# Altium PCB PCB_Kasli.PCBDOC (part 11 of 14)
Units mm, origin at the board's own origin, x right, y up, seen from the top; angles counter-clockwise.
Board outline 162.29 x 100 mm, 6 copper layers (TopLayer, MidLayer1, MidLayer2, SignalLayer1, Internal Plane 1, BottomLayer), stack 1.528 mm thick; 646 components, 567 nets, 2756 pads, 1560 vias.
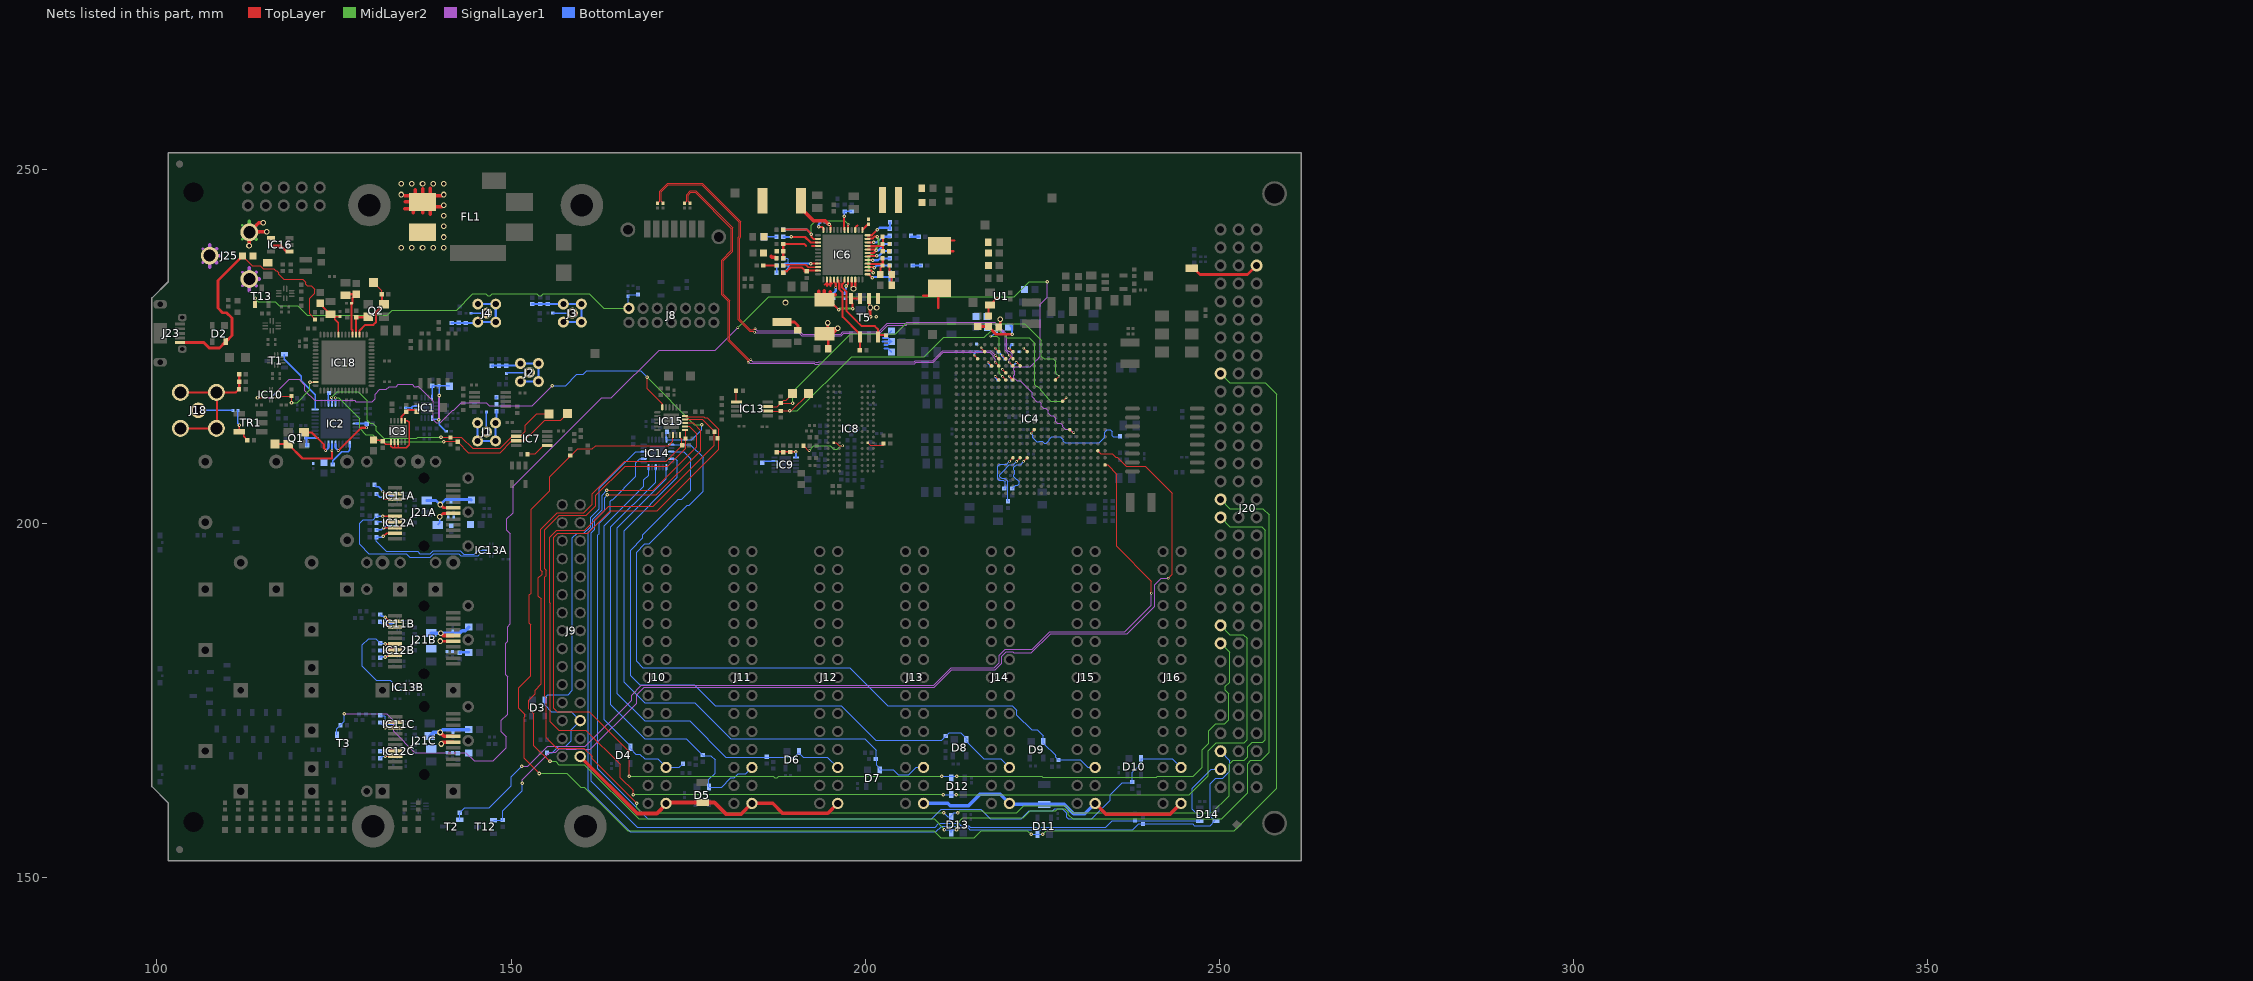
[diagram p15: the nets of this part, all layers, seen from the top]

## Via types
v1: diameter 0.5, hole 0.2, TopLayer to BottomLayer, tented both sides, 724 vias
v2: diameter 0.35, hole 0.15, TopLayer to BottomLayer, tented both sides, 628 vias
v3: diameter 0.8, hole 0.5, TopLayer to BottomLayer, tented both sides, 122 vias
v4: diameter 0.8, hole 0.5, TopLayer to BottomLayer, 66 vias
v5: diameter 0.5, hole 0.2, TopLayer to BottomLayer, 20 vias

## Nets (pads, with @x,y where several pads share a name; then routed paths per layer and width w, separated by ;. In a path a pad name is that pad's centre, name@x,y a point inside that pad or via, vN(x,y) a via of type N, cw(c..) or ccw(c..) an arc to the next point about the centre after c; other vN are vias at no path point) (continued)
I2C_SCL_9: D13.3 IC15.13 J20.c17 R175.1 | length 210.2
  TopLayer w0.125: v1(167.725,160.575) 161.45,166.85 161.45,167.15 160.275,168.325 156.45,168.325 154.988,169.787 154.988,171.554 154.975,171.567 154.975,175.4 154.738,175.637 154.738,192.497 154.938,192.697 154.938,193.453 154.725,193.665 154.725,199.154 156.786,201.215 160.607,201.215 161.975,202.583 161.975,204.025 166.1,208.15 172.15,208.15 174.65,210.65 IC15.13@174.65,213.157
  MidLayer2 w0.125: v1(167.725,160.575) 167.725,159.925 168.475,159.175 v1@211.1,159.175 ; v1(213.1,159.175) 213.387,159.462 216.613,159.462 216.9,159.175 221.375,159.175 222.4,160.2 228.3,160.2 229.325,159.175 248.975,159.175 251.425,161.625 251.425,166.05 251.975,166.6 253.5,166.6 254,167.1 254,168.5 254.65,169.15 256.175,169.15 256.525,169.5 256.525,199.1 256,199.625 251.479,199.625 J20.c17@250.19,200.914
  BottomLayer w0.125: v1(211.1,159.2) 211.65,158.65 D13.3@212.15,158.65 212.15,158.8 212.525,159.175 v1(213.1,159.175)
I2C_SCL_10: D12.3 IC15.17 J20.c24 R178.1 | length 180.1
  TopLayer w0.125: v1(166.7,164.35) 166.7,167.8 161.025,173.475 156.55,173.475 156.05,173.975 156.05,198.125 156.6,198.675 160.83,198.675 164.031,201.875 170.675,201.875 179.325,210.525 179.325,213.327 177.687,214.964 177.348,214.964 177.175,215.137 174.67,215.137 IC15.17@174.556,215.251
  MidLayer2 w0.125: v1(166.7,164.35) 186.996,164.35 187.208,164.138 187.592,164.138 187.804,164.35 v1(210.8,164.35) ; v1(212.95,164.35) 224.915,164.35 225.044,164.22 241.145,164.22 241.275,164.35 246.325,164.35 247.6,165.625 247.6,168.1 248.525,169.025 248.525,170.775 249.5,171.75 250.775,171.75 251.353,172.328 251.353,176.026 250.855,176.523 250.855,177.072 251.45,177.666 251.45,181.874 J20.c24@250.19,183.134
  BottomLayer w0.125: v1(210.8,164.35) v1(212.95,164.35)
I2C_SCL_11: D14.3 IC15.15 J20.c31 R182.1 | length 162.3
  TopLayer w0.125: v1(163.608,204.085) 170.535,204.085 176.8,210.35 176.8,213.175 175.724,214.251 IC15.15@174.556,214.251
  BottomLayer w0.125: v1(163.608,204.085) 163.225,203.702 163.225,201.9 161.825,200.5 161.825,199.25 161.336,198.761 161.336,163.639 167.8,157.175 209.875,157.175 210.4,157.7 213.2,157.7 213.5,157.4 214.6,157.4 214.825,157.175 233.974,157.175 234.899,158.1 247.2,158.1 D14.3@247.25,158.05 247.25,158.65 246.2,159.7 246.2,162.65 248.904,165.354 J20.c31@250.19,165.354
I2C_SDA_0: D3.2 IC14.16 J9.26 R155.1 | length 57.9
  BottomLayer w0.125: R155.1@155.07,167.7 155.8,167.7 156.7,168.6 157.7,168.6 158.5,169.4 158.5,170.946 J9.26@159.766,172.212 158.478,173.5 155.7,173.5 154.75,174.45 D3.2@154.75,175.15 154.75,175.45 155.2,175.9 158.075,175.9 158.675,176.5 158.675,198.024 159.326,198.675 160.3,198.675 161.225,199.6 161.225,200.9 162.425,202.1 162.425,205.05 167.575,210.2 IC14.16@168.725,210.2
I2C_SDA_1: D4.2 IC14.12 J10.26 R157.1 | length 52.6
  BottomLayer w0.125: IC14.12@169.425,208 169.425,206.875 168.75,206.2 168.75,205.3 163.181,199.731 163.181,172.319 166.8,168.7 166.8,168.3 167.6,167.5 168.175,167.5 168.875,166.8 170.694,166.8 J10.26@171.886,165.608 173.763,165.608 R157.1@174.28,166.125
I2C_SDA_2: D5.2 IC14.10 J11.26 R159.1 | length 65.5
  BottomLayer w0.125: IC14.10@170.425,208 170.425,205.9 164.104,199.579 164.104,174.427 168.905,169.625 174.77,169.625 R159.1@177.05,167.345 177.12,167.275 178.225,167.275 178.8,166.7 178.8,164.8 177.95,163.95 D5.2@177.95,162.85 ; D5.2@177.961,162.839 179.734,162.839 181.025,164.131 181.49,164.131 182.067,164.708 183.105,164.708 J11.26@184.005,165.608
I2C_SDA_3: D6.2 IC14.7 J12.26 R161.1 | length 70.8
  BottomLayer w0.125: IC14.7@171.925,208 171.925,206.375 165.026,199.476 165.026,176.045 168.905,172.165 175.21,172.165 180.3,167.075 189.975,167.075 190.6,167.7 191.225,167.075 194.657,167.075 J12.26@196.124,165.608
I2C_SDA_4: D7.2 IC14.5 J13.26 R163.1 | length 85.2
  BottomLayer w0.125: IC14.5@172.625,209.2 173.2,209.2 173.475,208.925 173.475,206.575 165.949,199.049 165.949,177.651 168.895,174.705 175.945,174.705 181.025,169.625 181.905,169.625 181.955,169.675 183.515,169.675 183.565,169.625 184.445,169.625 184.495,169.675 193.095,169.675 193.144,169.625 194.024,169.625 194.074,169.675 195.635,169.675 195.684,169.625 196.564,169.625 196.614,169.675 199.925,169.675 201.6,168 R163.1@201.6,166.695 ; R163.1@201.495,166.8 R163.1@201.6,166.695 ; J13.26@208.244,165.608 207.206,165.608 206.144,164.545 204.7,164.545 203.995,165.25 D7.2@202.05,165.25 202.05,165.45 201.614,165.886 201.614,166.681 R163.1@201.6,166.695
I2C_SDA_5: D8.2 IC14.3 J14.26 R165.1 | length 97.7
  BottomLayer w0.125: IC14.3@172.625,210.2 174.4,210.2 175.375,209.225 175.375,204.75 174.125,203.5 173.636,203.5 168.625,198.489 168.625,198.039 166.871,196.285 166.871,178.529 168.155,177.245 175.88,177.245 178.8,174.325 196.6,174.325 201.5,169.425 210.825,169.425 211.9,170.5 213.469,170.5 D8.2@214.419,169.55 ; D8.2@214.275,169.55 214.275,169.325 216.771,166.829 216.971,166.829 219.142,166.829 J14.26@220.363,165.608
I2C_SDA_6: D9.2 IC14.1 J15.26 R167.1 | length 110.5
  BottomLayer w0.125: IC14.1@172.625,211.2 175.325,211.2 177.125,209.4 177.125,204.575 175.15,202.6 174.9,202.6 169.487,197.187 168.912,197.187 167.725,196 167.725,180.575 168.604,179.696 197.829,179.696 203.2,174.325 220.769,174.325 221.426,173.668 221.426,172.999 223.525,170.9 224.3,170.9 225.15,170.05 D9.2@225.15,169.25 225.15,169.05 226.9,167.3 226.9,167.07 R167.1@227.3,166.67 230.383,166.671 231.445,165.608 J15.26@232.483,165.608
I2C_SDA_7: D10.2 IC14.14 J16.26 R169.1 | length 140.5
  BottomLayer w0.125: IC14.14@168.725,209.2 168.7,209.175 168.2,209.175 167.625,208.6 167.625,206.7 164.338,203.413 164.239,203.413 164.012,203.186 164.012,201.662 162.425,200.075 162.425,198.6 162.259,198.434 162.259,165.387 169.296,158.35 209.4,158.35 210.75,159.7 211.932,159.7 211.934,159.699 216.301,159.699 217.65,158.35 222.05,158.35 223.2,159.5 226.5,159.5 226.8,159.8 227.854,159.8 228.5,159.154 228.5,158.55 228.7,158.35 231.975,158.35 234.6,160.975 234.6,161.775 236.275,163.45 R169.1@237.725,163.45 ; R169.1@237.725,163.538 237.725,164.925 238.95,166.15 D10.2@238.95,166.85 243.36,166.85 J16.26@244.602,165.608
I2C_SDA_8: D11.2 IC15.10 J20.c9 R171.1 | length 241.5
  TopLayer w0.125: v1(154,164.75) 153.975,164.75 151.85,166.875 151.85,172.696 151.913,172.758 151.913,173.142 151.1,173.954 151.1,176.871 152.763,178.533 152.763,185.735 152.562,185.936 152.562,189.97 152.825,190.233 152.825,202.05 155.475,204.7 155.475,206.65 159.4,210.575 161.475,210.575 161.95,211.05 172.25,211.05 172.856,211.656 IC15.10@172.856,212.551
  MidLayer2 w0.125: v1(154,164.75) 157.896,164.75 159.858,162.788 160.363,162.788 166.45,156.7 209.7,156.7 210.7,155.7 215.4,155.7 216.4,156.7 222.9,156.7 v1(223.45,156.15) ; v1(225.1,156.2) 225.6,156.7 252.125,156.7 258.1,162.675 258.1,218.325 256.475,219.95 251.474,219.95 J20.c9@250.19,221.234
  BottomLayer w0.125: v1(223.45,156.15) D11.2@224.35,156.15 225.05,156.15 v1(225.1,156.2)
I2C_SDA_9: D13.2 IC15.12 J20.c16 R173.1 | length 218.9
  TopLayer w0.125: v1(155.5,166.5) 155.5,166.375 153.2,168.675 153.2,173.2 152.5,173.9 152.5,175.1 153.4,176 153.4,176.538 154.263,177.4 154.263,189.411 153.875,189.798 153.875,192.377 154.413,192.914 154.413,193.236 154.2,193.448 154.2,199.267 156.533,201.6 160.25,201.6 161.45,202.8 161.45,204.242 166.058,208.85 171.9,208.85 174.1,211.05 174.1,211.925 173.875,212.15 IC15.12@173.875,212.532
  MidLayer2 w0.125: v1(155.5,166.5) 156.285,166.5 156.765,166.02 160.33,166.02 168,158.35 209.75,158.35 211.2,156.9 v1(211.2,156.8) ; v1(212.9,156.8) 212.9,157.6 213.8,158.5 222.3,158.5 223.3,159.5 226.9,159.5 227.2,159.8 228.2,159.8 228.7,159.3 228.7,158.95 229.3,158.35 250.35,158.35 254,162 254,166.125 254.475,166.6 255.9,166.6 257.05,167.75 257.05,201.275 256.175,202.15 251.494,202.15 J20.c16@250.19,203.454
  BottomLayer w0.125: v1(211.2,156.8) 211.9,156.8 D13.2@212.15,156.55 ; D13.2@212.15,156.35 D13.2@212.15,156.55 ; v1(212.9,156.8) 212.3,156.8 212.15,156.65 D13.2@212.15,156.55
I2C_SDA_10: D12.2 IC15.16 J20.c23 R176.1 | length 189.8
  TopLayer w0.125: v1(167.225,161.75) 167.225,162.35 165.4,164.175 165.4,166.05 160.575,170.875 156.725,170.875 155.525,172.075 155.525,188.787 155.463,188.849 155.463,198.125 156.427,199.09 160.415,199.09 163.787,202.462 170.087,202.462 178.7,211.075 178.7,213.075 177.024,214.751 IC15.16@174.556,214.751
  MidLayer2 w0.125: v1(167.225,161.75) 167.288,161.813 210.937,161.813 v1(211,161.75) ; v1(212.85,161.75) 245.75,161.75 248.45,164.45 248.45,167.975 249.6,169.125 253.525,169.125 253.925,169.525 253.925,183.825 253.375,184.375 251.489,184.375 J20.c23@250.19,185.674
  BottomLayer w0.125: v1(211,161.75) v1(212.85,161.75)
I2C_SDA_11: D14.2 IC15.14 J20.c30 R180.1 | length 167.2
  TopLayer w0.125: v1(163.533,204.76) 170.11,204.76 176.225,210.875 176.225,212.7 175.174,213.751 IC15.14@174.556,213.751
  BottomLayer w0.125: v1(163.533,204.76) 163.533,204.75 162.85,204.067 162.85,201.975 161.55,200.675 161.55,199.5 160.875,198.825 160.875,162.45 166.825,156.5 210,156.5 210.8,157.3 213.053,157.3 213.297,157.056 214.544,157.056 214.788,156.813 237.788,156.813 238.65,157.675 246.225,157.675 246.5,157.4 248.7,157.4 249.35,158.05 248.7,158.7 248.7,163.3 249.5,164.1 250.509,164.1 251.5,165.091 251.5,166.584 J20.c30@250.19,167.894
I2C_SW_RESET: IC10.5 IC14.24 IC15.24 R151.1 | length 90.7
  TopLayer w0.125: v1(114.2,217.8) IC10.5@115.2,217.8 ; v1(169.2,220.7) 169.2,219.081 171.356,216.925 IC15.24@171.356,216.451
  MidLayer2 w0.125: v1(169.2,220.7) 175.9,214 v1(176.9,214)
  SignalLayer1 w0.125: v1(114.2,217.8) 116.1,217.8 118.7,220.4 120.1,220.4 120.9,219.6 120.9,218.8 122.277,217.423 127.898,217.423 128.048,217.273 130.373,217.273 130.8,217.7 130.8,218.3 131.493,218.993 132.393,218.993 132.787,219.387 133.787,219.387 134.1,219.7 136.049,219.7 136.358,219.39 136.742,219.39 136.751,219.4 136.9,219.4 139,217.3 139,214.7 139.438,214.263 139.992,214.263 141.767,216.037 141.942,216.037 142.213,216.308 142.213,216.313 143,217.1 146.5,217.1 146.9,216.7 153,216.7 v1(155.8,219.5)
  BottomLayer w0.125: v1(155.8,219.5) 157.7,219.5 159.3,221.1 160.2,221.1 160.7,221.6 168.3,221.6 v1(169.2,220.7) ; R151.1@171.925,213.025 IC14.24@171.925,211.9 175.5,211.9 176.9,213.3 v1(176.9,214)
I2C_SW_SCL: IC4.J16 IC13.2 R147.1 TP14.1 | length 59.1
  TopLayer w0.1: IC13.2@186.233,215.92 R147.1@188.064,215.92
  TopLayer w0.125: R147.1@188.1,215.95 v1(189.325,215.95) 189.55,215.95 TP14.1@192,218.4 ; IC4.J16@227.872,217.315 v2(228.372,217.815)
  MidLayer2 w0.125: v1(189.325,215.95) 190.4,215.95 198.075,223.625 208.35,223.625 211.075,226.35 216.85,226.35 217.775,227.275 218.95,227.275 219.963,226.262 223.163,226.262 223.912,225.513 223.912,219.639 224.139,219.412 224.323,219.412 224.76,218.976 224.76,218.845 225.695,217.91 225.695,217.805 226.2,217.3 227.857,217.3 v2(228.372,217.815)
I2C_SW_SDA: IC4.F15 IC13.3 R146.1 TP13.1 | length 55.2
  TopLayer w0.125: IC13.3@186.233,216.57 187.622,216.57 R146.1@188.097,217.045 ; v1(189.745,217.045) R146.1@188.097,217.045 ; TP13.1@189.75,218.4 188.825,217.475 188.527,217.475 R146.1@188.097,217.045 ; IC4.F15@226.872,220.315 v2(227.372,220.815)
  MidLayer2 w0.125: v1(189.745,217.045) 189.745,218.62 198,226.875 204.325,226.875 205.713,228.263 222.537,228.263 224.325,226.475 224.875,225.925 224.875,223.7 225.275,223.3 226.55,223.3 226.9,222.95 226.9,221.287 v2(227.372,220.815)
LED_USER1: IC4.N17 R45.2 T3.1 | length 187.1
  TopLayer w0.125: IC4.N17@228.872,213.315 229.312,212.875 v2(229.45,212.875)
  MidLayer2 w0.1: v2(182.013,227.713) 186.375,232.075 221.025,232.075 223.15,234.2 v1(225.725,234.2)
  SignalLayer1 w0.1: v1(126.475,173.175) 132.45,173.175 133.425,172.2 133.425,170.7 136.425,167.7 143.625,167.7 144.8,166.525 147.475,166.525 149.35,168.4 149.35,169.95 148.65,170.65 148.65,172.25 149.55,173.15 149.55,178.395 149.225,178.72 149.225,183.125 149.5,183.4 149.5,185.5 149.875,185.875 149.875,198.612 149.425,199.062 149.425,200.7 150.3,201.575 150.3,205.3 162.8,217.8 164.181,217.8 170.906,224.525 178.825,224.525 v2(182.013,227.713) ; v1(225.725,234.2) 225.725,231.975 224.75,231 224.75,225.025 224.749,225.024 224.749,223.649 224.29,223.19 224.217,223.19 223.997,222.97 223.997,222.897 223.29,222.19 221.217,222.19 220.997,221.97 220.997,221.66 221.111,221.546 221.111,221.084 220.997,220.97 220.997,220.66 221.467,220.19 221.885,220.19 223.575,218.5 223.575,217.95 224.25,217.275 224.65,217.275 224.875,217.05 224.875,216.6 225.175,216.3 225.525,216.3 225.875,215.95 225.875,215.6 226.225,215.25 226.55,215.25 226.9,214.9 226.9,214.45 227.125,214.225 227.6,214.225 227.9,213.925 227.9,213.7 228.223,213.377 228.888,213.377 229.39,212.875 v2(229.45,212.875)
  BottomLayer w0.1: T3.1@125.415,170.187 125.415,171.097 R45.2@125.895,171.577 126.475,172.157 v1(126.475,173.175)
LED_USER2: IC4.V22 R19.2 T2.1 | length 135.3
  TopLayer w0.1: IC4.V22@233.872,208.315 234.237,208.315 235.525,207.027 235.525,196.825 240.425,191.925 v2(240.425,190.2)
  SignalLayer1 w0.1: v1(151.5,165.8) 152.386,165.8 155.161,168.575 156.768,168.575 156.77,168.572 160.497,168.572 167.025,175.1 167.025,175.825 168.4,177.2 209.654,177.2 212.129,179.675 218.206,179.675 218.923,180.392 218.923,181.423 219.775,182.275 223.604,182.275 226.079,184.75 236.65,184.75 240.425,188.525 v2(240.425,190.2)
  BottomLayer w0.125: T2.1@142.755,158.214 R19.2@142.755,159.225 143.43,159.9 146.9,159.9 150,163 150,164.3 v1(151.5,165.8)
LED_USER3: IC4.T21 R23.2 T12.1 | length 139.6
  TopLayer w0.1: IC4.T21@232.872,210.315 233.261,209.926 234.899,209.926 235.4,209.425 235.606,209.425 236.881,208.15 239.55,208.15 243.35,204.35 243.35,192.875 v2(242.8,192.325)
  SignalLayer1 w0.1: v1(151.6,163.4) 151.6,163.9 155.475,167.775 156.313,167.775 156.77,168.232 157.682,168.232 157.764,168.15 159.228,168.15 159.31,168.232 160.222,168.232 160.304,168.15 161.175,168.15 167.725,174.7 167.725,175.875 168.788,176.938 209.763,176.938 212.238,179.413 218.388,179.413 219.263,180.288 219.263,181.304 219.908,181.948 220.819,181.948 220.992,181.775 223.475,181.775 226.188,184.488 237.038,184.488 240.9,188.35 240.9,191.402 241.823,192.325 v2(242.8,192.325)
  BottomLayer w0.125: T12.1@147.55,158.15 R23.2@148.78,158.15 ; R23.2@148.8,158.17 148.8,159.5 151.6,162.3 v1(151.6,163.4)
MGT_RX3_N: C199.2 IC4.C9 | length 73
  TopLayer w0.095: C199.2@171.476,245.283 171.2,245.559 171.2,246.9 172.2,247.9 176.9,247.9 182.244,242.556 182.244,240.6 182.08,240.436 182.08,240.191 182.08,228.824 183.709,227.196 184.238,227.196 v2(184.384,227.05) ; v2(220.372,223.815) IC4.C9@220.872,223.315
  SignalLayer1 w0.115: v2(184.384,227.05) 184.441,226.992 185.117,226.992 185.125,227 190.631,227 191.07,226.561 196.636,226.561 196.956,226.881 202.031,226.881 203.22,228.07 205.773,228.07 205.935,228.233 210.94,228.233 218.197,228.233 219.755,226.675 219.755,224.513 v2@220.372,223.896 ; v2(220.372,223.815) v2@220.412,223.855
MGT_RX3_P: C198.2 IC4.D9 | length 75.2
  TopLayer w0.095: C198.2@170.689,245.283 170.98,245.574 170.98,246.991 172.109,248.12 176.991,248.12 182.464,242.647 182.464,240.509 182.3,240.344 182.3,228.916 183.8,227.416 184.223,227.416 184.368,227.561 v2(184.459,227.561) ; v2(220.361,222.836) 220.361,222.826 IC4.D9@220.872,222.315
  SignalLayer1 w0.115: v2(184.459,227.561) 184.785,227.235 190.729,227.235 191.168,226.796 196.539,226.796 196.859,227.116 201.934,227.116 203.123,228.305 205.676,228.305 205.838,228.468 211.037,228.468 218.294,228.468 218.595,228.167 219.99,226.772 219.99,224.61 220.215,224.385 220.343,224.385 220.755,223.973 220.755,223.657 220.725,223.627 220.361,223.263 v2(220.361,222.836)
MGT_TX3_N: C200.2 IC4.C7 | length 67.5
  TopLayer w0.095: C200.2@174.499,245.283 174.78,245.564 174.78,246.491 175.309,247.02 176.091,247.02 181.32,241.791 181.32,238.52 179.956,237.156 179.956,232.436 180.9,231.491 180.9,225.928 183.628,223.2 v2(183.85,223.2) ; v2(218.437,223.75) IC4.C7@218.872,223.315
  SignalLayer1 w0.115: v2(183.85,223.2) 184.158,222.893 192.911,222.893 193.011,222.793 193.39,222.793 193.472,222.875 206.903,222.875 207.071,223.044 209.544,223.044 210.935,224.435 214.211,224.435 214.214,224.432 214.53,224.432 214.533,224.435 217.211,224.435 217.214,224.432 217.53,224.432 217.533,224.435 217.752,224.435 v2(218.437,223.75)
MGT_TX3_P: C201.2 IC4.D7 | length 68
  TopLayer w0.095: C201.2@175.286,245.283 175,245.569 175,246.4 175.4,246.8 176,246.8 181.1,241.7 181.1,238.611 179.736,237.247 179.736,232.344 180.68,231.4 180.68,225.837 183.484,223.033 v2(183.484,222.811) ; v2(218.372,222.815) IC4.D7@218.872,222.315
  SignalLayer1 w0.115: v2(183.484,222.811) 183.554,222.811 183.707,222.657 192.813,222.657 192.913,222.558 193.487,222.558 193.569,222.64 207,222.64 207.169,222.809 209.641,222.809 211.032,224.2 214.114,224.2 214.116,224.197 214.628,224.197 214.63,224.2 217.114,224.2 217.116,224.197 217.628,224.197 218.055,223.771 218.055,223.592 218.372,223.274 v2(218.372,222.815)
MGTAVCC: C57.2 C100.2 C123.2 C124.2 C125.2 C148.2 IC4.D6 IC4.D10 IC4.E8 IC4.F7 IC4.F9 L15.2 | length 7.4
  TopLayer w0.125: v2(217.372,222.815) IC4.D6@217.872,222.315 ; v2(218.372,220.815) IC4.F7@218.872,220.315 ; v2(219.372,221.815) IC4.E8@219.872,221.315 ; v2(221.336,222.786) 221.401,222.786 IC4.D10@221.872,222.315
  TopLayer w0.3: v2(220.361,220.861) 220.361,220.826 IC4.F9@220.872,220.315
  TopLayer w0.4: C57.2@219.075,227.927 v3(219.075,228.875)
  BottomLayer w0.2: v2(217.372,222.815) 217.372,222.678 C125.2@217.75,222.3 ; v2(218.372,220.815) 218.372,220.678 C123.2@218.75,220.3 ; v2(220.361,220.861) 220.361,220.739 220.75,220.35 C100.2@220.75,220.325 ; C124.2@220.75,222.3 220.857,222.3 221.336,222.779 v2(221.336,222.786)
MGTAVTT: C97.2 C101.2 C112.2 C113.2 C114.2 C115.2 C116.2 IC4.B5 IC4.B7 IC4.B9 IC4.B11 IC4.C4 IC4.C8 L18.2 L19.2 R191.1 | length 14.3
  TopLayer w0.125: v2(215.372,223.815) IC4.C4@215.872,223.315 ; v2(216.361,224.836) 216.361,224.826 IC4.B5@216.872,224.315 ; v2(218.372,224.815) IC4.B7@218.872,224.315 ; v2(219.372,223.815) IC4.C8@219.872,223.315 ; v2(220.372,224.815) IC4.B9@220.872,224.315 ; v2(222.372,224.815) IC4.B11@222.872,224.315
  TopLayer w0.4: L18.2@215.9,227.85 L19.2@217.424,227.85 217.424,227.842 218.495,226.771 v1(220.777,226.771)
  BottomLayer w0.2: v2(215.372,223.815) 215.372,223.997 C115.2@215.675,224.3 216.375,224.3 ; C116.2@218.79,224.282 219.257,223.815 v2(219.372,223.815) 219.372,223.678 C97.2@219.75,223.3 ; v2(220.372,224.815) 220.5,224.943 220.5,225.1 C112.2@220.725,225.325
  BottomLayer w0.3: C101.2@220.526,228 220.726,227.8 220.726,227.775 220.726,226.822 v1(220.777,226.771)
NetC3_2: C3.2 IC1.2 IC1.3 | length 2.6
  BottomLayer w0.2: C3.2@135.075,216.375 135.875,216.375 ; IC1.2@136.65,216.128 136.122,216.128 135.875,216.375 ; IC1.3@136.65,216.628 136.128,216.628 135.875,216.375
NetC12_2: C12.2 IC3.1 IC3.2 IC3.3 IC3.6 L3.2 | length 11.6
  TopLayer w0.2: L3.2@130.6,211.825 C12.2@131.875,211.825 ; C12.2@131.875,211.65 132.275,211.25 IC3.1@133.045,211.25 ; IC3.1@133.045,211.559 IC3.1@133.045,211.25 ; IC3.2@133.545,211.559 133.545,210.855 133.675,210.725 ; IC3.3@134.045,211.559 134.045,210.725 ; IC3.6@135.045,214.559 135.366,214.559 135.6,214.325 135.6,211.15 135.175,210.725 134.045,210.725 ; IC3.1@133.045,211.25 133.045,210.955 133.275,210.725 133.675,210.725 ; 133.675,210.725 134.045,210.725
NetC15_2: C15.2 C17.2 C18.2 IC1.8 IC1.13 L1.1 | length 12.1
  SignalLayer1 w0.125: v1(139.8,214.725) v1@139.846,214.771
  SignalLayer1 w0.3: v1@139.846,214.771 v1(139.846,218.121)
  BottomLayer w0.2: IC1.13@138.85,214.928 138.978,214.8 139.725,214.8 v1(139.8,214.725) 139.882,214.643 139.882,213.975 C17.2@140.782,213.075 ; IC1.8@138.85,217.828 138.85,219.472 C15.2@138.862,219.484 C18.2@139.846,219.484 ; C18.2@139.796,219.534 C18.2@139.821,219.509 ; v1(139.846,218.121) C18.2@139.846,219.484 ; C18.2@139.846,219.534 C18.2@139.846,219.484 ; L1.1@141.301,219.432 141.249,219.484 C18.2@139.846,219.484
NetC19_2: C19.2 IC3.7 R10.2 | length 3.3
  TopLayer w0.25: IC3.7@134.545,214.559 134.545,215.195 C19.2@135.175,215.825 135.428,216.078 136.452,216.078 R10.2@136.7,215.83
NetC20_2: C20.2 J1.1 | length 2.8
  BottomLayer w0.19: C20.2@146.525,215.8 146.525,212.995 J1.1@146.541,212.979
NetC21_2: C21.2 J2.1 | length 3.3
  BottomLayer w0.19: C21.2@149.375,221.25 149.496,221.371 J2.1@152.596,221.371
NetC22_2: C22.2 J3.1 | length 2.7
  BottomLayer w0.19: C22.2@155.987,229.763 J3.1@158.652,229.763 ; J3.1@158.652,229.365 J3.1@158.675,229.342
NetC23_2: C23.2 C24.2 C25.2 C26.2 IC2.5 IC2.10 IC2.32 L2.1 | length 10.8
  TopLayer w0.3: v2(125.603,210.339) 128.836,213.572 v2(129.598,213.572)
  BottomLayer w0.3: C23.2@121.1,211.101 121.1,212.017 C25.2@121,212.117 121.032,212.149 IC2.10@122.322,212.149 ; IC2.5@125.222,211.249 125.222,210.72 v2(125.603,210.339) ; IC2.32@128.122,214.149 C24.2@129.598,214.149 v2(129.598,213.572)
NetC27_2: C27.2 J4.1 | length 2.2
  BottomLayer w0.19: C27.2@144.331,229.744 J4.1@146.55,229.744
NetC43_2: C43.2 C44.2 J1.2 R29.2 | length 9.5
  BottomLayer w0.3: J1.2@145.271,214.249 J1.2@145.271,211.709 J1.2@147.811,211.709 J1.2@147.811,214.249 147.95,214.388 C44.2@147.95,215.9 ; C43.2@147.851,217.801 C43.2@147.95,217.901
NetC46_2: C46.2 C47.2 J2.2 R30.2 | length 11.9
  BottomLayer w0.3: C46.2@147.391,222.259 C46.2@147.299,222.35 151.035,222.35 J2.2@151.326,222.641 J2.2@153.866,222.641 J2.2@153.866,220.101 J2.2@151.326,220.101